# KiCad board Type 1 Termination Board DCS v2.kicad_pcb (continued)
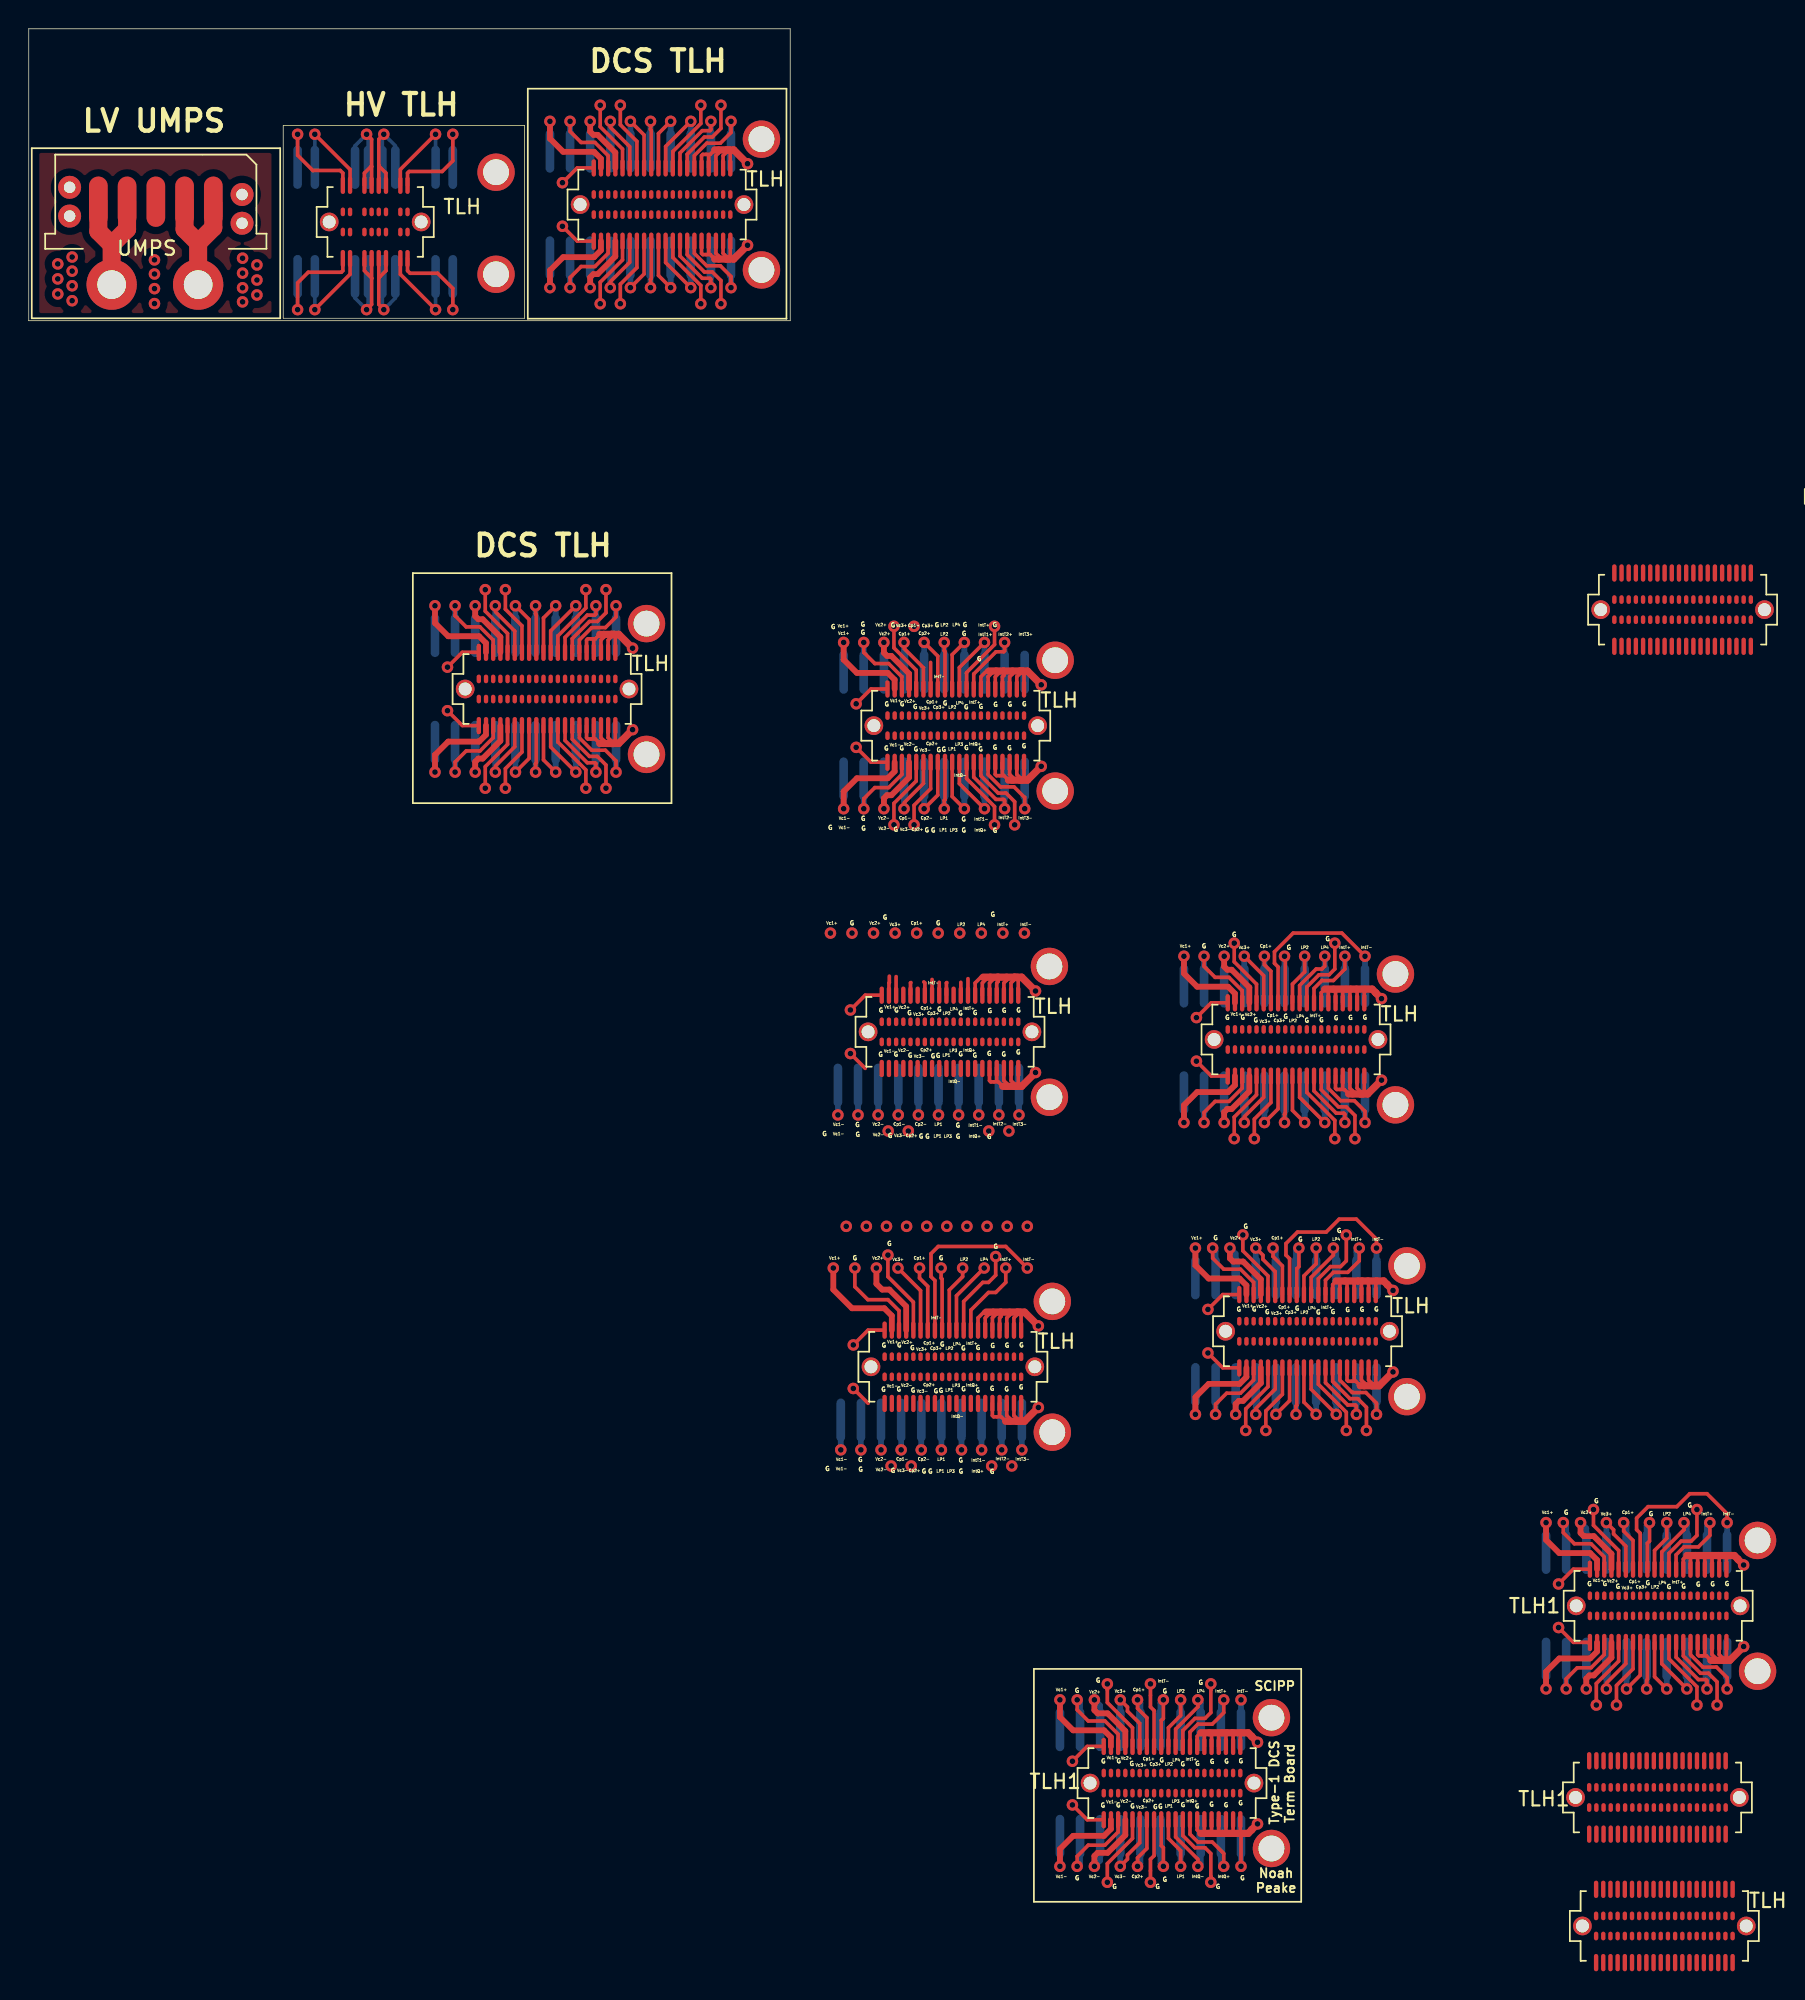
[diagram p0: board, top side]
## Routing (per net, layer and track width the routed paths; a pad name or vN(x,y) marks a point on that pad's centre or on a via; arc(x,y) is an arc through that point) (continued)
  Top w0.5: 115.39,-85.9 118.69,-85.9 118.94,-86.15 118.94,-86.16 v1(119.34,-86.56) ; 117.87,-93.19 117.06,-93.19 ; 117.87,-93.19 118.07,-93.19 ; 117.87,-93.19 118.38,-93.19 v1(119.34,-92.23) ; 81.56,-98.23 84.86,-98.23 85.11,-98.48 85.11,-98.49 v1(85.51,-98.89) ; 81.56,-105.23 84.86,-105.23 85.11,-104.98 85.11,-104.97 v1(85.51,-104.57)
  Bottom w0.4: v1(106.79,-83.61) 106.99,-83.81 106.99,-85.68 ; 112.59,-85.68 112.59,-83.81 v1(112.79,-83.61) ; v1(106.99,-95.18) 106.99,-93.11 ; v1(118.19,-95.18) 118.19,-93.11 ; v1(112.59,-95.18) 112.59,-93.11 ; v1(111.19,-95.18) 111.19,-93.11 ; v1(78.96,-95.94) 78.76,-96.14 P2#7.17 ; v1(72.96,-95.94) 73.16,-96.14 P2#7.5 ; v1(78.96,-107.52) 78.76,-107.32 P1#9.18 ; P1#9.6 73.16,-107.32 v1(72.96,-107.52) ; P1#9.30 v1(84.36,-107.52)
(no net): length 1247.3
  Top w0.25: 26.36,4.33 26.36,3.48 26.54,3.3 28.45,3.3 29.51,2.24 29.51,0.78 ; v1(19.91,12.97) 22.36,10.52 J11.3 ; 24.36,3.03 24.36,1.13 24.71,0.78 ; 24.36,3.03 24.41,3.03 24.86,3.48 24.86,4.33 ; 24.36,3.03 24.36,4.33 ; 23.36,4.33 23.36,3.48 23.86,2.98 23.86,2.93 ; J11.17 25.86,10.52 v1(28.31,12.97) ; 23.86,2.93 23.86,4.33 ; 23.86,2.93 23.86,1.13 23.51,0.78 ; 21.86,4.33 21.86,3.48 21.75,3.37 19.45,3.37 18.71,2.63 18.71,0.78 ; 25.86,4.33 25.86,3.23 28.31,0.78 ; v1(23.51,12.97) 23.86,12.62 23.86,10.72 ; J11.7 23.36,10.27 23.81,10.72 23.86,10.72 ; J11.1 21.86,10.27 21.68,10.45 19.77,10.45 18.71,11.51 v1(18.71,12.97) ; v1(29.51,12.97) 29.51,11.12 28.77,10.38 26.47,10.38 26.36,10.27 J11.19 ; 24.36,10.82 24.36,10.77 24.86,10.27 J11.13 ; 24.36,10.82 J11.11 ; 24.36,10.82 24.36,12.62 v1(24.71,12.97) ; 23.86,10.72 J11.9 ; 19.91,0.78 22.36,3.23 22.36,4.33 ; v1(46.07,2.3) 44.32,4.05 44.32,5.54 ; J12.17 43.32,13.24 43.27,13.29 v1(43.27,13.87) ; 45.32,5.54 45.32,4.5 46.87,2.95 47.4,2.95 47.47,2.88 v1(47.47,2.3) ; v1(43.27,2.3) 43.27,2.88 43.32,2.93 43.32,5.54 ; 41.82,5.54 41.82,4.06 40.47,2.71 ; 42.82,5.54 42.82,3.25 v1(41.87,2.3) ; 46.32,5.54 46.32,4.68 47.18,3.82 48.13,3.82 48.87,3.08 v1(48.87,2.3) ; J12.11 41.82,12.11 40.47,13.46 ; v1(48.87,13.87) 48.87,13.09 48.13,12.35 47.18,12.35 46.32,11.49 J12.29 ; v1(41.87,13.87) 42.82,12.92 J12.15 ; 47.82,5.54 47.82,4.69 48.02,4.49 48.02,4.29 ; 39.32,10.63 38.17,10.63 v1(37.14,9.6) ; 47.32,5.54 47.32,4.69 ; v1(46.07,13.87) 44.32,12.12 J12.21 ; 48.55,11.88 48.55,11.71 48.32,11.48 48.32,10.63 ; 47.74,4.29 47.43,4.6 46.91,4.6 46.82,4.69 46.82,5.54 ; J12.13 42.32,12.48 41.17,13.63 v1(41.17,14.99) ; 42.32,5.54 42.32,3.69 41.17,2.54 v1(41.17,1.18) ; 41.32,5.54 41.32,4.23 39.77,2.68 v1(39.77,1.18) ; J12.23 44.82,11.77 46.77,13.72 v1(46.77,14.99) ; 48.32,5.54 48.32,4.69 48.55,4.46 48.55,4.29 ; v1(47.47,13.87) 47.47,13.29 47.4,13.22 46.87,13.22 45.32,11.67 J12.25 ; v1(37.14,6.57) 38.17,5.54 39.32,5.54 ; 40.32,5.54 40.32,4.69 39.4,3.77 38.44,3.77 37.67,3 v1(37.67,2.3) ; 44.82,5.54 44.82,4.4 46.77,2.45 v1(46.77,1.18) ; J12.27 45.82,11.58 47.02,12.78 47.57,12.78 48.17,13.38 v1(48.17,14.99) ; 47.32,10.63 47.32,11.48 ; J12.9 41.32,11.94 39.77,13.49 v1(39.77,14.99) ; 46.82,10.63 46.82,11.48 46.91,11.57 47.43,11.57 47.74,11.88 ; 48.02,11.88 48.02,11.68 47.82,11.48 47.82,10.63 ; J12.5 40.32,11.48 39.4,12.4 38.44,12.4 37.67,13.17 v1(37.67,13.87) ; v1(44.67,2.3) 43.82,3.15 43.82,5.54 ; v1(48.17,1.18) 48.17,2.79 47.57,3.39 47.02,3.39 45.82,4.59 45.82,5.54 ; J12.19 43.82,13.02 v1(44.67,13.87) ; 48.82,5.54 48.82,4.53 49.06,4.29 ; 49.06,11.88 48.82,11.64 48.82,10.63 ; v1(36.67,-19.83) 35.82,-20.68 J12#2.19 ; v1(29.67,-19.83) 29.67,-20.53 30.44,-21.3 31.4,-21.3 32.32,-22.22 J12#2.5 ; 41.06,-21.82 40.82,-22.06 40.82,-23.07 ; v1(38.77,-18.71) 38.77,-19.98 36.82,-21.93 J12#2.23 ; 40.82,-28.16 40.82,-29.17 41.06,-29.41 ; v1(33.17,-18.71) 33.17,-20.07 34.32,-21.22 J12#2.13 ; 34.82,-28.16 34.82,-30.45 v1(33.87,-31.4) ; 36.32,-28.16 36.32,-29.65 v1(38.07,-31.4) ; 37.32,-28.16 37.32,-29.2 38.87,-30.75 39.4,-30.75 39.47,-30.82 v1(39.47,-31.4) ; v1(40.87,-19.83) 40.87,-20.61 40.13,-21.35 39.18,-21.35 38.32,-22.21 J12#2.29 ; J12#2.17 35.32,-20.46 35.27,-20.41 v1(35.27,-19.83) ; 32.47,-20.24 33.82,-21.59 J12#2.11 ; v1(40.87,-31.4) 40.87,-30.62 40.13,-29.88 39.18,-29.88 38.32,-29.02 38.32,-28.16 ; 32.47,-30.99 33.82,-29.64 33.82,-28.16 ; v1(35.27,-31.4) 35.27,-30.82 35.32,-30.77 35.32,-28.16 ; v1(33.87,-19.83) 34.82,-20.78 J12#2.15 ; 40.55,-29.41 40.55,-29.24 40.32,-29.01 40.32,-28.16 ; 40.55,-21.82 40.55,-21.99 40.32,-22.22 40.32,-23.07 ; v1(39.47,-19.83) 39.47,-20.41 39.4,-20.48 38.87,-20.48 37.32,-22.03 J12#2.25 ; 39.82,-28.16 39.82,-29.01 40.02,-29.21 40.02,-29.41 ; v1(29.14,-27.13) 30.17,-28.16 31.32,-28.16 ; 33.32,-28.16 33.32,-29.47 31.77,-31.02 v1(31.77,-32.52) ; 39.32,-28.16 39.32,-29.01 ; 36.82,-28.16 36.82,-29.3 38.77,-31.25 v1(38.77,-32.52) ; 34.32,-28.16 34.32,-30.01 33.17,-31.16 v1(33.17,-32.52) ; 31.32,-23.07 30.17,-23.07 v1(29.14,-24.1) ; J12#2.27 37.82,-22.12 39.02,-20.92 39.57,-20.92 40.17,-20.32 v1(40.17,-18.71) ; 39.74,-29.41 39.43,-29.1 38.91,-29.1 38.82,-29.01 38.82,-28.16 ; J12#2.21 36.32,-21.58 v1(38.07,-19.83) ; 32.32,-28.16 32.32,-29.01 31.4,-29.93 30.44,-29.93 29.67,-30.7 v1(29.67,-31.4) ; 37.82,-28.16 37.82,-29.11 39.02,-30.31 39.57,-30.31 40.17,-30.91 v1(40.17,-32.52) ; v1(36.67,-31.4) 35.82,-30.55 35.82,-28.16 ; J12#2.9 33.32,-21.76 31.77,-20.21 v1(31.77,-18.71) ; 39.82,-23.07 39.82,-22.22 40.02,-22.02 40.02,-21.82 ; 39.74,-21.82 39.43,-22.13 38.91,-22.13 38.82,-22.22 38.82,-23.07 ; 39.32,-23.07 39.32,-22.22 ; 69.5,-24.37 69.26,-24.61 69.26,-25.62 ; v1(67.21,-21.26) 67.21,-22.53 65.26,-24.48 J12#3.23 ; v1(65.11,-22.38) 64.26,-23.23 J12#3.19 ; v1(58.11,-22.38) 58.11,-23.08 58.88,-23.85 59.84,-23.85 60.76,-24.77 J12#3.5 ; 68.99,-31.96 68.99,-31.79 68.76,-31.56 68.76,-30.71 ; 68.99,-24.37 68.99,-24.54 68.76,-24.77 68.76,-25.62 ; v1(67.91,-22.38) 67.91,-22.96 67.84,-23.03 67.31,-23.03 65.76,-24.58 J12#3.25 ; v1(62.31,-22.38) 63.26,-23.33 J12#3.15 ; 62.26,-30.71 62.26,-32.19 60.91,-33.54 ; v1(66.51,-33.95) 64.76,-32.2 64.76,-30.71 ; v1(69.31,-33.95) 69.31,-33.17 68.57,-32.43 67.62,-32.43 66.76,-31.57 66.76,-30.71 ; 69.26,-30.71 69.26,-31.72 69.5,-31.96 ; 63.26,-30.71 63.26,-33 v1(62.31,-33.95) ; v1(67.91,-33.95) 67.91,-33.37 67.84,-33.3 67.31,-33.3 65.76,-31.75 65.76,-30.71 ; v1(63.71,-33.95) 63.71,-33.37 63.76,-33.32 63.76,-30.71 ; v1(63.71,-22.38) 63.71,-22.96 63.76,-23.01 J12#3.17 ; 60.91,-22.79 62.26,-24.14 J12#3.11 ; 68.46,-31.96 68.46,-31.76 68.26,-31.56 68.26,-30.71 ; 59.76,-30.71 58.61,-30.71 v1(57.58,-29.68) ; 67.76,-30.71 67.76,-31.56 ; J12#3.21 64.76,-24.13 v1(66.51,-22.38) ; 59.76,-25.62 58.61,-25.62 v1(57.58,-26.65) ; 60.76,-30.71 60.76,-31.56 59.84,-32.48 58.88,-32.48 58.11,-33.25 v1(58.11,-33.95) ; J12#3.13 62.76,-23.77 ; v1(60.21,-35.07) 60.21,-33.57 61.76,-32.02 61.76,-30.71 ; 65.26,-30.71 65.26,-31.85 67.21,-33.8 v1(67.21,-35.07) ; 68.18,-31.96 67.87,-31.65 67.35,-31.65 67.26,-31.56 67.26,-30.71 ; 66.26,-30.71 66.26,-31.66 67.46,-32.86 68.01,-32.86 68.61,-33.46 v1(68.61,-35.07) ; 62.76,-30.71 62.76,-32.56 61.61,-33.71 v1(61.61,-35.07) ; 64.26,-30.71 64.26,-33.1 v1(65.11,-33.95) ; v1(60.21,-21.26) 60.21,-22.76 61.76,-24.31 J12#3.9 ; J12#4.33 67.36,-46.07 67.46,-45.97 67.46,-45.67 ; 67.42,-45.67 67.26,-45.67 66.86,-46.07 J12#4.31 ; 66.42,-45.67 66.26,-45.67 65.86,-46.07 J12#4.27 ; J12#4.35 67.86,-46.07 68.06,-45.87 68.06,-45.67 ; J12#4.29 66.36,-46.07 66.76,-45.67 66.92,-45.67 ; 58.21,-52.01 v1(57.18,-50.98) ; 68.06,-53.26 68.06,-53.06 67.86,-52.86 67.86,-52.01 ; 68.36,-46.92 68.36,-46.07 68.59,-45.84 68.59,-45.67 ; 67.36,-52.01 67.36,-52.86 ; 67.78,-53.26 67.47,-52.95 66.95,-52.95 66.86,-52.86 66.86,-52.01 ; 59.36,-46.92 58.21,-46.92 v1(57.18,-47.95) ; 68.36,-52.01 68.36,-52.86 68.59,-53.09 68.59,-53.26 ; 68.86,-52.01 68.86,-53.02 69.1,-53.26 ; 69.1,-45.67 68.86,-45.91 68.86,-46.92 ; 69.3,-68.97 69.06,-69.21 69.06,-70.22 ; 68.79,-76.56 68.79,-76.39 68.56,-76.16 68.56,-75.31 ; 69.06,-75.31 69.06,-76.32 69.3,-76.56 ; 67.06,-75.31 67.06,-76.16 67.15,-76.25 67.67,-76.25 67.98,-76.56 ; 59.56,-70.22 58.41,-70.22 v1(57.38,-71.25) ; 68.79,-68.97 68.79,-69.14 68.56,-69.37 68.56,-70.22 ; 68.26,-68.97 68.26,-69.17 68.06,-69.37 J12#5.35 ; J12#5.27 66.06,-69.37 66.46,-68.97 66.62,-68.97 ; 67.62,-68.97 67.46,-68.97 67.06,-69.37 J12#5.31 ; 58.41,-75.31 v1(57.38,-74.28) ; 68.26,-76.56 68.26,-76.36 68.06,-76.16 68.06,-75.31 ; J12#5.29 66.56,-69.37 66.96,-68.97 67.12,-68.97 ; 67.66,-68.97 67.66,-69.27 67.56,-69.37 J12#5.33 ; 67.56,-75.31 67.56,-76.16 ; v1(81.79,-44.21) 81.79,-44.91 82.56,-45.68 83.52,-45.68 84.44,-46.6 J12#6.5 ; 92.67,-53.79 92.67,-53.62 92.44,-53.39 92.44,-52.54 ; 85.94,-52.54 85.94,-54.02 84.59,-55.37 ; v1(90.19,-55.78) 88.44,-54.03 88.44,-52.54 ; v1(92.99,-55.78) 92.99,-55 92.25,-54.26 91.3,-54.26 90.44,-53.4 90.44,-52.54 ; 92.94,-52.54 92.94,-53.55 93.18,-53.79 ; 86.94,-52.54 86.94,-54.83 v1(85.99,-55.78) ; v1(91.59,-55.78) 91.59,-55.2 91.52,-55.13 90.99,-55.13 89.44,-53.58 89.44,-52.54 ; v1(87.39,-55.78) 87.39,-55.2 87.44,-55.15 87.44,-52.54 ; 92.14,-53.79 92.14,-53.59 91.94,-53.39 91.94,-52.54 ; 83.44,-52.54 82.29,-52.54 v1(81.26,-51.51) ; 91.44,-52.54 91.44,-53.39 ; 83.44,-47.45 82.29,-47.45 v1(81.26,-48.48) ; 84.44,-52.54 84.44,-53.39 83.52,-54.31 82.56,-54.31 81.79,-55.08 v1(81.79,-55.78) ; v1(83.89,-56.9) 83.89,-55.4 85.44,-53.85 85.44,-52.54 ; 88.94,-52.54 88.94,-53.68 90.89,-55.63 v1(90.89,-56.9) ; 91.86,-53.79 91.55,-53.48 91.03,-53.48 90.94,-53.39 90.94,-52.54 ; 89.94,-52.54 89.94,-53.49 91.14,-54.69 91.69,-54.69 92.29,-55.29 v1(92.29,-56.9) ; 86.44,-52.54 86.44,-54.39 85.29,-55.54 v1(85.29,-56.9) ; 87.94,-52.54 87.94,-54.93 v1(88.79,-55.78) ; 92.94,-74.09 92.94,-73.89 92.74,-73.69 92.74,-72.84 ; 90.24,-72.84 90.24,-73.88 91.79,-75.43 92.32,-75.43 92.39,-75.5 v1(92.39,-76.08) ; 92.24,-72.84 92.24,-73.69 ; 89.24,-72.84 89.24,-74.33 v1(90.99,-76.08) ; 85.39,-75.67 86.74,-74.32 86.74,-72.84 ; 93.98,-74.09 93.74,-73.85 93.74,-72.84 ; 84.24,-72.84 83.09,-72.84 v1(82.06,-71.81) ; 84.24,-67.75 83.09,-67.75 v1(82.06,-68.78) ; 86.24,-72.84 86.24,-74.15 84.69,-75.7 v1(84.69,-77.2) ; 92.66,-74.09 92.35,-73.78 91.83,-73.78 91.74,-73.69 91.74,-72.84 ; 85.24,-72.84 85.24,-73.69 84.32,-74.61 83.36,-74.61 82.59,-75.38 v1(82.59,-76.08) ; 89.74,-72.84 89.74,-73.98 91.69,-75.93 v1(91.69,-77.2) ; 93.47,-74.09 93.47,-73.92 93.24,-73.69 93.24,-72.84 ; v1(88.19,-76.08) 88.19,-75.5 88.24,-75.45 88.24,-72.84 ; 87.74,-72.84 87.74,-75.13 v1(86.79,-76.08) ; 91.24,-72.84 91.24,-73.7 92.1,-74.56 93.05,-74.56 93.79,-75.3 v1(93.79,-76.08) ; J12#7.37 93.24,-66.85 93.19,-66.8 ; J12#7.29 91.24,-66.9 91.34,-66.8 91.64,-66.8 91.74,-66.9 J12#7.31 ; 92.49,-66.8 92.34,-66.8 92.24,-66.9 J12#7.33 ; 88.74,-72.84 88.74,-75.23 v1(89.59,-76.08) ; 90.74,-72.84 90.74,-73.79 91.94,-74.99 92.49,-74.99 93.09,-75.59 v1(93.09,-77.2) ; 87.24,-72.84 87.24,-74.69 86.09,-75.84 v1(86.09,-77.2) ; J12#7.27 90.74,-67.05 90.99,-66.8 ; J12#7.19 88.74,-66.45 89.59,-65.6 v1(89.59,-64.51) ; 92.79,-66.8 92.79,-66.85 92.74,-66.9 J12#7.35 ; J12#7.23 89.74,-66.65 90.59,-65.8 91.29,-65.8 91.69,-65.4 v1(91.69,-63.6) ; J12#7.39 93.74,-66.9 93.79,-66.85 93.79,-66.8 ; J12#6.11 85.94,-45.56 v1(84.59,-44.21) ; v1(83.89,-43.3) 83.89,-44.6 85.44,-46.15 J12#6.9 ; J12#6.21 88.44,-46.25 89.59,-45.1 89.99,-45.1 90.19,-44.9 v1(90.19,-44.21) ; J12#7.9 86.24,-66.45 84.49,-64.7 v1(84.49,-63.6) ; J12#4.23 64.86,-46.03 ; J12#5.25 65.56,-68.83 66.79,-67.6 67.29,-67.6 67.99,-66.9 v1(67.99,-65.9) ; 92.99,-46.5 92.99,-46.55 92.94,-46.6 J12#6.39 ; J12#3.33 67.76,-24.77 67.86,-24.67 67.86,-24.37 ; 63.89,-46.04 63.86,-46.07 J12#4.19 ; J12#7.21 89.24,-66.55 90.79,-65 v1(90.79,-64.51) ; 90.19,-46.5 89.94,-46.75 J12#6.27 ; J12#5.23 65.06,-68.23 66.39,-66.9 66.79,-66.9 67.29,-66.4 v1(67.29,-65.1) ; v1(85.99,-44.21) 85.99,-44.8 86.44,-45.25 J12#6.13 ; 61.39,-46.04 61.36,-46.07 J12#4.9 ; J12#4.13 62.36,-46.07 62.29,-46 ; v1(64.99,-65.9) 64.99,-66.5 64.06,-67.43 J12#5.19 ; J12#5.21 64.56,-67.83 v1(66.49,-65.9) ; J12#5.17 63.56,-66.67 63.49,-66.6 v1(63.49,-65.9) ; J12#4.25 65.36,-45.77 ; J12#7.5 85.24,-66.9 84.32,-65.98 83.16,-65.98 82.39,-65.21 v1(82.39,-64.51) ; J12#5.5 60.56,-68.87 59.79,-68.1 58.39,-68.1 57.49,-67.2 v1(57.49,-65.9) ; v1(88.39,-64.51) 88.39,-65.8 88.24,-65.95 J12#7.17 ; v1(86.59,-64.51) 86.59,-65.1 87.24,-65.75 J12#7.13 ; J12#6.23 88.94,-46.35 89.79,-45.5 90.49,-45.5 90.89,-45.1 v1(90.89,-43.3) ; J12#6.19 87.94,-46.15 88.79,-45.3 v1(88.79,-44.21) ; v1(92.59,-64.51) 92.59,-65.4 91.79,-66.2 90.79,-66.2 90.24,-66.75 J12#7.25 ; 68.46,-24.37 68.46,-24.57 68.26,-24.77 J12#3.35 ; v1(61.99,-65.9) 61.99,-66.6 62.56,-67.17 J12#5.13 ; v1(69.49,-65.9) 67.99,-64.4 63.29,-64.4 62.79,-64.9 62.79,-66.5 63.06,-66.77 J12#5.15 ; J12#4.5 60.36,-45.63 ; J12#6.35 91.94,-46.6 91.99,-46.55 91.99,-46.5 ; J12#6.37 92.44,-46.55 92.39,-46.5 ; J12#4.3 59.86,-46.07 59.89,-46.04 59.89,-45.6 ; J12#6.31 90.94,-46.6 90.84,-46.5 90.54,-46.5 90.44,-46.6 J12#6.29 ; J12#6.15 86.94,-44.95 86.69,-44.7 86.69,-43.9 87.99,-42.6 91.38,-42.6 v1(92.99,-44.21) ; J12#4.15 62.86,-45.83 ; v1(91.59,-44.21) 91.59,-45.1 90.79,-45.9 89.99,-45.9 89.44,-46.45 J12#6.25 ; J12#7.15 87.74,-65.25 87.49,-65 87.49,-64.2 88.29,-63.4 90.29,-63.4 91.19,-62.5 92.39,-62.5 93.79,-63.9 v1(93.79,-64.51) ; J12#3.27 66.26,-24.77 66.66,-24.37 66.82,-24.37 ; J12#5.9 61.56,-68.27 59.79,-66.5 v1(59.79,-65) ; J12#3.29 66.76,-24.77 67.16,-24.37 67.32,-24.37 ; v1(60.49,-65.9) 62.06,-67.47 J12#5.11 ; v1(85.39,-64.51) 85.89,-65.01 85.89,-65.3 86.74,-66.15 J12#7.11 ; v1(87.39,-44.21) 87.44,-44.26 J12#6.17 ; J12#3.31 67.26,-24.77 67.66,-24.37 67.82,-24.37 ; 91.69,-46.5 91.54,-46.5 91.44,-46.6 J12#6.33 ; J12#4.17 63.36,-46.03
  Top w0.4: J12.7 40.82,11.7 39.59,12.93 39.29,12.93 39.07,13.15 v1(39.07,13.87) ; v1(36.27,2.3) 36.27,3.5 37.19,4.42 39.34,4.42 39.82,4.9 39.82,5.54 ; 39.82,10.63 39.82,11.27 39.34,11.75 37.19,11.75 36.27,12.67 v1(36.27,13.87) ; v1(39.07,2.3) 39.07,3.02 39.29,3.24 39.59,3.24 40.82,4.47 40.82,5.54 ; 31.82,-23.07 31.82,-22.43 31.34,-21.95 29.19,-21.95 28.27,-21.03 v1(28.27,-19.83) ; J12#2.7 32.82,-22 31.59,-20.77 31.29,-20.77 31.07,-20.55 v1(31.07,-19.83) ; 32.82,-28.16 32.82,-29.23 31.59,-30.46 31.29,-30.46 31.07,-30.68 v1(31.07,-31.4) ; 31.82,-28.16 31.82,-28.8 31.34,-29.28 29.19,-29.28 28.27,-30.2 v1(28.27,-31.4) ; 61.26,-30.71 61.26,-31.78 60.03,-33.01 59.73,-33.01 59.51,-33.23 v1(59.51,-33.95) ; v1(56.71,-33.95) 56.71,-32.75 57.63,-31.83 59.78,-31.83 60.26,-31.35 60.26,-30.71 ; 60.26,-25.62 60.26,-24.98 59.78,-24.5 57.63,-24.5 56.71,-23.58 v1(56.71,-22.38) ; J12#3.7 61.26,-24.55 60.03,-23.32 59.73,-23.32 59.51,-23.1 v1(59.51,-22.38) ; 84.94,-52.54 84.94,-53.61 83.71,-54.84 83.41,-54.84 83.19,-55.06 v1(83.19,-55.78) ; v1(80.39,-55.78) 80.39,-54.58 81.31,-53.66 83.46,-53.66 83.94,-53.18 83.94,-52.54 ; 83.94,-47.45 83.94,-46.81 83.46,-46.33 81.31,-46.33 80.39,-45.41 v1(80.39,-44.21) ; J12#6.7 84.94,-46.38 83.71,-45.15 83.41,-45.15 83.19,-44.93 v1(83.19,-44.21) ; v1(83.99,-76.08) 83.99,-75.36 84.21,-75.14 84.51,-75.14 85.74,-73.91 85.74,-72.84 ; v1(81.19,-64.51) 81.19,-65.71 82.11,-66.63 84.26,-66.63 84.74,-67.11 84.74,-67.75 ; 84.74,-72.84 84.74,-73.48 84.26,-73.96 82.11,-73.96 81.19,-74.88 v1(81.19,-76.08) ; J12#5.3 60.06,-69.22 59.54,-68.7 57.29,-68.7 55.99,-67.4 v1(55.99,-65.9) ; J12#5.7 61.06,-68.57 59.89,-67.4 59.39,-67.4 58.99,-67 v1(58.99,-65.9) ; J12#7.7 85.74,-66.68 84.51,-65.45 83.81,-65.45 83.59,-65.23 v1(83.59,-64.51)
  Top w0.5: 47.74,11.88 48.55,11.88 ; 48.55,4.29 47.74,4.29 ; 48.55,4.29 48.75,4.29 ; 48.55,4.29 49.06,4.29 v1(50.02,5.25) ; 48.55,11.88 48.75,11.88 ; 48.55,11.88 49.06,11.88 v1(50.02,10.92) ; v1(42.02,-28.45) 41.06,-29.41 40.55,-29.41 ; 40.55,-21.82 39.74,-21.82 ; 40.55,-21.82 40.75,-21.82 ; 40.55,-21.82 41.06,-21.82 v1(42.02,-22.78) ; 40.55,-29.41 39.74,-29.41 ; 40.55,-29.41 40.75,-29.41 ; v1(70.46,-31) 69.5,-31.96 68.99,-31.96 ; 68.99,-24.37 66.82,-24.37 ; 68.99,-24.37 69.19,-24.37 ; 68.99,-24.37 69.5,-24.37 v1(70.46,-25.33) ; 69.19,-31.96 68.99,-31.96 ; 68.99,-31.96 68.18,-31.96 ; 66.42,-45.67 68.59,-45.67 ; 68.79,-45.67 68.59,-45.67 ; 68.59,-45.67 69.1,-45.67 v1(70.06,-46.63) ; 68.79,-53.26 68.59,-53.26 ; 68.59,-53.26 67.78,-53.26 ; 68.59,-53.26 69.1,-53.26 v1(70.06,-52.3) ; 68.79,-76.56 67.98,-76.56 ; 68.79,-76.56 69.3,-76.56 v1(70.26,-75.6) ; 68.79,-76.56 68.99,-76.56 ; 68.79,-68.97 69.3,-68.97 v1(70.26,-69.93) ; 68.79,-68.97 66.62,-68.97 ; 68.79,-68.97 68.99,-68.97 ; v1(94.14,-52.83) 93.18,-53.79 92.67,-53.79 ; 92.87,-53.79 92.67,-53.79 ; 92.67,-53.79 91.86,-53.79 ; 93.67,-74.09 93.47,-74.09 ; 93.47,-74.09 92.66,-74.09 ; 93.47,-74.09 93.98,-74.09 v1(94.94,-73.13) ; v1(94.94,-67.46) 94.54,-67.06 94.54,-67.05 94.29,-66.8 90.99,-66.8 ; 90.19,-46.5 93.49,-46.5 93.74,-46.75 93.74,-46.76 v1(94.14,-47.16)
  Top w1.25: 5.77,5.29 6.84,6.36 J10.4 ; 5.77,5.29 4.84,6.22 J10.5 ; 5.77,5.29 J3.1 ; 11.79,5.42 10.84,6.37 J10.2 ; 11.79,5.42 J2.1 ; 11.79,5.42 12.84,6.47 J10.1
  Bottom w0.25: P3.2 v1(18.71,0.77) ; P4.13 25.51,12.17 v1(24.71,12.97) 24.61,12.87 P4.11 ; P3.18 v1(28.31,0.77) ; P4.9 23.61,12.87 v1(23.51,12.97) 22.71,12.17 P4.7 ; P3.10 23.61,0.87 v1(23.51,0.77) 22.71,1.57 P3.8 ; P3.12 24.61,0.87 v1(24.71,0.77) 25.51,1.57 P3.14 ; P4.3 v1(19.91,12.97) ; P4.1 v1(18.71,12.97) ; P3.4 v1(19.91,0.77) ; P4.17 v1(28.31,12.97) ; P4.19 v1(29.51,12.97) ; P3.20 v1(29.51,0.77)
  Bottom w0.4: v1(39.07,13.87) P2.7 ; v1(41.87,13.87) P2.15 ; v1(36.27,13.87) P2.3 ; v1(39.07,2.3) P1.8 ; v1(41.87,2.3) P1.16 ; v1(43.27,13.87) P2.17 ; v1(36.27,2.3) P1.4 ; v1(40.47,13.87) P2.11 ; v1(46.07,13.87) P2.21 ; v1(48.87,2.3) P1.30 ; v1(43.27,2.3) P1.18 ; v1(40.47,2.3) P1.12 ; v1(48.87,13.87) P2.29 ; v1(47.47,2.3) P1.26 ; v1(47.47,13.87) P2.25 ; v1(46.07,2.3) P1.22 ; v1(44.67,13.87) P2.19 ; v1(44.67,2.3) P1.20 ; v1(37.67,13.87) P2.5 ; v1(37.67,2.3) P1.6 ; v1(31.07,-19.83) P2#2.7 ; v1(32.47,-19.83) P2#2.11 ; v1(38.07,-19.83) P2#2.21 ; v1(40.87,-31.4) P1#2.30 ; v1(35.27,-19.83) P2#2.17 ; v1(33.87,-19.83) P2#2.15 ; v1(28.27,-19.83) P2#2.3 ; v1(28.27,-31.4) P1#2.4 ; v1(35.27,-31.4) P1#2.18 ; v1(32.47,-31.4) P1#2.12 ; v1(31.07,-31.4) P1#2.8 ; v1(33.87,-31.4) P1#2.16 ; v1(39.47,-19.83) P2#2.25 ; v1(39.47,-31.4) P1#2.26 ; v1(38.07,-31.4) P1#2.22 ; v1(36.67,-31.4) P1#2.20 ; v1(40.87,-19.83) P2#2.29 ; v1(36.67,-19.83) P2#2.19 ; v1(29.67,-31.4) P1#2.6 ; v1(29.67,-19.83) P2#2.5 ; v1(59.51,-22.38) P2#3.7 ; v1(67.91,-22.38) P2#3.25 ; v1(67.91,-33.95) P1#3.26 ; v1(66.51,-22.38) P2#3.21 ; v1(63.71,-22.38) P2#3.17 ; v1(56.71,-22.38) P2#3.3 ; v1(60.91,-33.95) P1#3.12 ; v1(62.31,-33.95) P1#3.16 ; v1(69.31,-33.95) P1#3.30 ; v1(62.31,-22.38) P2#3.15 ; v1(56.71,-33.95) P1#3.4 ; v1(60.91,-22.38) P2#3.11 ; v1(63.71,-33.95) P1#3.18 ; v1(59.51,-33.95) P1#3.8 ; v1(65.11,-22.38) P2#3.19 ; v1(65.11,-33.95) P1#3.20 ; v1(66.51,-33.95) P1#3.22 ; v1(58.11,-33.95) P1#3.6 ; v1(58.11,-22.38) P2#3.5 ; v1(64.71,-55.25) P1#4.20 ; v1(66.11,-55.25) P1#4.22 ; v1(57.71,-55.25) P1#4.6 ; v1(67.51,-55.25) P1#4.26 ; v1(60.51,-55.25) P1#4.12 ; v1(63.31,-55.25) P1#4.18 ; v1(59.11,-55.25) P1#4.8 ; v1(61.91,-55.25) P1#4.16 ; v1(56.31,-55.25) P1#4.4 ; v1(68.91,-55.25) P1#4.30 ; v1(57.91,-78.55) P1#5.6 ; v1(67.71,-78.55) P1#5.26 ; v1(66.31,-78.55) P1#5.22 ; v1(60.71,-78.55) P1#5.12 ; v1(62.11,-78.55) P1#5.16 ; v1(56.51,-78.55) P1#5.4 ; v1(59.31,-78.55) P1#5.8 ; v1(63.51,-78.55) P1#5.18 ; v1(69.11,-78.55) P1#5.30 ; v1(64.91,-78.55) P1#5.20 ; v1(83.19,-44.21) P2#4.7 ; v1(91.59,-44.21) P2#4.25 ; v1(91.59,-55.78) P1#6.26 ; v1(90.19,-44.21) P2#4.21 ; v1(87.39,-44.21) P2#4.17 ; v1(80.39,-44.21) P2#4.3 ; v1(84.59,-55.78) P1#6.12 ; v1(85.99,-55.78) P1#6.16 ; v1(92.99,-55.78) P1#6.30 ; v1(85.99,-44.21) P2#4.15 ; v1(80.39,-55.78) P1#6.4 ; v1(84.59,-44.21) P2#4.11 ; v1(87.39,-55.78) P1#6.18 ; v1(83.19,-55.78) P1#6.8 ; v1(92.99,-44.21) P2#4.29 ; v1(88.79,-44.21) P2#4.19 ; v1(88.79,-55.78) P1#6.20 ; v1(90.19,-55.78) P1#6.22 ; v1(81.79,-55.78) P1#6.6 ; v1(81.79,-44.21) P2#4.5 ; v1(93.79,-76.08) P1#7.30 ; v1(83.99,-76.08) P1#7.8 ; v1(89.59,-64.51) P2#5.19 ; v1(85.39,-64.51) P2#5.11 ; v1(81.19,-76.08) P1#7.4 ; v1(88.19,-76.08) P1#7.18 ; v1(93.79,-64.51) P2#5.29 ; v1(90.99,-76.08) P1#7.22 ; v1(89.59,-76.08) P1#7.20 ; v1(92.39,-76.08) P1#7.26 ; v1(86.79,-76.08) P1#7.16 ; v1(85.39,-76.08) P1#7.12 ; v1(81.19,-64.51) P2#5.3 ; v1(82.59,-76.08) P1#7.6 ; v1(86.59,-64.51) 86.79,-64.71 P2#5.15 ; v1(83.59,-64.51) 83.99,-64.91 P2#5.7 ; P2#5.17 88.19,-64.71 v1(88.39,-64.51) ; v1(90.79,-64.51) 90.99,-64.71 P2#5.21 ; v1(92.59,-64.51) 92.39,-64.71 P2#5.25 ; v1(82.39,-64.51) 82.59,-64.71 P2#5.5
  vias: v1(2.02,3.95) v1(2.02,2.91) v1(2.02,1.86) v1(3.02,4.43) v1(3.02,3.45) v1(3.02,2.43) v1(3.02,1.39) v1(8.75,4.23) v1(8.75,3.25) v1(8.75,2.23) v1(8.75,1.19) v1(14.88,4.35) v1(14.88,3.31) v1(14.88,2.29) v1(14.88,1.31) v1(15.88,3.88) v1(15.88,2.83) v1(15.88,1.79) v1(55.79,-42.6) v1(56.89,-63) v1(57.29,-42.6) v1(58.29,-63) v1(58.79,-42.6) v1(59.69,-63) v1(59.81,-56.37) v1(60.01,-79.67) v1(60.29,-42.6) v1(61.09,-63) v1(61.21,-56.37) v1(61.41,-79.67) v1(61.61,-21.26) v1(61.79,-42.6) v1(62.49,-63) v1(63.29,-42.6) v1(63.89,-63) v1(64.79,-42.6) v1(65.29,-63) v1(66.29,-42.6) v1(66.69,-63) v1(66.81,-56.37) v1(67.01,-79.67) v1(67.79,-42.6) v1(68.09,-63) v1(68.21,-56.37) v1(68.41,-79.67) v1(69.29,-42.6) v1(69.49,-63)
Can_pwr1: length 5.7
  Top w0.25: TLH1#3.13 77.81,-97.18 77.16,-96.53 v1(77.16,-95.94)
  Bottom w0.4: P2#7.15 77.36,-96.14 v1(77.16,-95.94)
Can_pwr2: length 5.7
  Top w0.25: TLH1#3.14 77.81,-106.28 77.16,-106.93 v1(77.16,-107.52)
  Bottom w0.4: P1#9.16 77.36,-107.32 v1(77.16,-107.52)
Can_pwr3: length 21.2
  Top w0.25: TLH1#3.15 78.31,-96.68 78.06,-96.43 v1(78.06,-94.83)
  In2.Cu w0.25: v1(78.06,-94.83) 78.06,-99.5 78.4,-99.84 83.83,-99.84 84.36,-99.31 v1(84.36,-95.94)
  Bottom w0.4: v1(84.36,-95.94) P2#7.29
Interlock_Q+: length 7
  Top w0.25: v1(83.16,-107.52) 83.16,-106.63 82.36,-105.83 81.36,-105.83 80.81,-105.28 TLH1#3.26
  Bottom w0.4: P1#9.26 82.96,-107.32 v1(83.16,-107.52)
Interlock_T+: length 7
  Top w0.25: v1(83.16,-95.94) 83.16,-96.83 82.36,-97.63 81.36,-97.63 80.81,-98.18 TLH1#3.25
  Bottom w0.4: P2#7.25 82.96,-96.14 v1(83.16,-95.94)
LP_mode1: length 5.7
  Top w0.25: TLH1#3.20 79.31,-105.58 80.16,-106.43 v1(80.16,-107.52)
  Bottom w0.4: 80.16,-107.51 P1#9.20
LP_mode2: length 5.7
  Top w0.25: TLH1#3.19 79.31,-97.88 80.16,-97.03 v1(80.16,-95.94)
  Bottom w0.4: v1(80.16,-95.94) P2#7.19
LP_mode3: length 6
  Top w0.25: v1(81.36,-107.52) 81.36,-107.03 79.81,-105.48 TLH1#3.22
  Bottom w0.4: P1#9.22 81.56,-107.32 v1(81.36,-107.52)
LP_mode4: length 6
  Top w0.25: TLH1#3.21 79.81,-97.98 81.36,-96.43 v1(81.36,-95.94)
  Bottom w0.4: P2#7.21 81.56,-96.14 v1(81.36,-95.94)
Vcan1+: length 8
  Top w0.4: 75.31,-99.18 75.31,-98.54 74.83,-98.06 72.68,-98.06 71.76,-97.14 v1(71.76,-95.94)
  Bottom w0.4: v1(71.76,-95.94) P2#7.3
Vcan1-: length 8
  Top w0.4: 75.31,-104.28 75.31,-104.92 74.83,-105.4 72.68,-105.4 71.76,-106.32 v1(71.76,-107.52)
  Bottom w0.4: 71.76,-107.51 P1#9.4
Vcan2+: length 6.8
  Top w0.4: v1(74.16,-95.94) 74.16,-96.66 74.38,-96.88 75.08,-96.88 76.31,-98.11 TLH1#3.7
  Bottom w0.4: v1(74.16,-95.94) 74.56,-96.34 P2#7.7
Vcan2-: length 6.8
  Top w0.4: TLH1#3.8 76.31,-105.35 75.08,-106.58 74.38,-106.58 74.16,-106.8 v1(74.16,-107.52)
  Bottom w0.4: v1(74.16,-107.52) 74.56,-107.12 P1#9.8
Vcan3+: length 5.9
  Top w0.25: v1(75.96,-95.94) 76.46,-96.44 76.46,-96.73 77.31,-97.58 TLH1#3.11
  Bottom w0.4: v1(75.96,-95.94) P2#7.11
Vcan3-: length 5.9
  Top w0.25: v1(75.96,-107.52) 76.46,-107.02 76.46,-106.73 77.31,-105.88 TLH1#3.12
  Bottom w0.4: 75.96,-107.51 P1#9.12
Net-(TLH1-Pad3): length 8
  Top w0.4: v1(105.59,-83.61) 105.59,-84.81 106.51,-85.73 108.66,-85.73 109.14,-86.21 109.14,-86.85
  Bottom w0.4: v1(105.59,-83.61) 105.59,-85.68
Net-(TLH1-Pad4): length 8
  Top w0.4: 109.14,-91.94 109.14,-92.58 108.66,-93.06 106.51,-93.06 105.59,-93.98 v1(105.59,-95.18)
  Bottom w0.4: v1(105.59,-95.18) 105.59,-93.11
Net-(TLH1-Pad7): length 6.8
  Top w0.4: TLH1.7 110.14,-85.78 108.91,-84.55 108.21,-84.55 107.99,-84.33 v1(107.99,-83.61)
  Bottom w0.4: v1(107.99,-83.61) 108.39,-84.01 108.39,-85.68
Net-(TLH1-Pad8): length 6.2
  Top w0.4: v1(108.39,-95.18) 108.39,-94.46 108.61,-94.24 108.91,-94.24 110.14,-93.01 110.14,-91.94
  Bottom w0.4: v1(108.39,-95.18) 108.39,-93.11
Net-(TLH1-Pad11): length 5.9
  Top w0.25: TLH1.11 111.14,-85.25 110.29,-84.4 110.29,-84.11 v1(109.79,-83.61)
  Bottom w0.4: v1(109.79,-83.61) 109.79,-85.68
Net-(TLH1-Pad12): length 5.5
  Top w0.25: 109.79,-94.77 111.14,-93.42 111.14,-91.94
  Bottom w0.4: v1(109.79,-95.18) 109.79,-93.11
Net-(TLH1-Pad13): length 5.7
  Top w0.25: v1(110.99,-83.61) 110.99,-84.2 111.64,-84.85 TLH1.13
  Bottom w0.4: v1(110.99,-83.61) 111.19,-83.81 111.19,-85.68
Net-(TLH1-Pad14): length 4.8
  Top w0.25: 111.64,-91.94 111.64,-93.79 110.49,-94.94 v1(110.49,-96.3)
Net-(TLH1-Pad15): length 13.9
  Top w0.25: v1(118.19,-83.61) 118.19,-83 116.79,-81.6 115.59,-81.6 114.69,-82.5 112.69,-82.5 111.89,-83.3 111.89,-84.1 112.14,-84.35 TLH1.15
  Bottom w0.4: v1(118.19,-83.61) 118.19,-85.68
Net-(TLH1-Pad19): length 5.7
  Top w0.25: TLH1.19 113.14,-85.55 113.99,-84.7 v1(113.99,-83.61)
  Bottom w0.4: v1(113.99,-83.61) 113.99,-85.68
Net-(TLH1-Pad20): length 5.7
  Top w0.25: 113.14,-91.94 113.14,-94.33 v1(113.99,-95.18)
  Bottom w0.4: v1(113.99,-95.18) 113.99,-93.11
Net-(TLH1-Pad21): length 6
  Top w0.25: TLH1.21 113.64,-85.65 115.19,-84.1 v1(115.19,-83.61)
  Bottom w0.4: 115.39,-85.68 115.39,-83.81 v1(115.19,-83.61)
Net-(TLH1-Pad22): length 6
  Top w0.25: 113.64,-91.94 113.64,-93.43 v1(115.39,-95.18)
  Bottom w0.4: v1(115.39,-95.18) 115.39,-93.11
Net-(TLH1-Pad25): length 7
  Top w0.25: v1(116.99,-83.61) 116.99,-84.5 116.19,-85.3 115.19,-85.3 114.64,-85.85 TLH1.25
  Bottom w0.4: v1(116.99,-83.61) 116.79,-83.81 116.79,-85.68
Net-(TLH1-Pad26): length 6.5
  Top w0.25: 114.64,-91.94 114.64,-92.98 116.19,-94.53 116.72,-94.53 116.79,-94.6 v1(116.79,-95.18)
  Bottom w0.4: v1(116.79,-95.18) 116.79,-93.11

## Copper pours and planes (outline as drawn; the poured copper is in the pictures)
Gnd on In1.Cu: 122.06,-81.7 122.06,-97.3 104.06,-97.3 104.06,-81.7
Gnd on In1.Cu: 88.26,-94.03 88.26,-109.63 70.23,-109.63 70.23,-94.03
Gnd on In2.Cu: 122.09,-81.7 122.09,-97.3 104.09,-97.3 104.09,-81.7
Gnd on In2.Cu: 88.26,-94.03 88.26,-109.63 70.26,-109.63 70.26,-94.03
(no net) on Top: 16.89,11.67 16.89,0.5 0.73,0.5 0.73,11.67
(no net) on Bottom: 0.59,11.82 17.01,11.81 17.02,0.37 0.6,0.37
(no net) on In1.Cu: 97.66,-62.6 97.66,-78.2 79.66,-78.2 79.66,-62.6
(no net) on In1.Cu: 35.06,15.57 52.47,15.57 52.47,0.6 35.06,0.6
(no net) on In2.Cu: 97.69,-62.6 97.69,-78.2 79.69,-78.2 79.69,-62.6

## Text on the board
B.SilkS: T2 | T4 | T_rtn | Q_rtn | Q2 | G | Q4 | - | +Vc1 | +Vc2 | +Cp1 | +Cp2 | LP2 | LP1 | P1r | P2r | +Tint1 | +Vc3 | Cp1 | Cp2 | LP4 | IntQ+ | +IntT | T1 | T3 | Q1 | Q3
F.SilkS: Vc1+ | Vc1- | Vc2+ | Vc2- | Vc3+ | Cp1- | Vc3- | Cp1+ | Cp2+ | Cp2- | Cp3+ | IntT- | LP1 | LP2 | LP3 | LP4 | IntQ- | IntT+ | IntQ+ | IntT1- | IntT1+ | IntT2- | IntT2+ | IntT3- | IntT3+ | G | SCIPP | Noah / Peake | Type-1 DCS | Term Board | LV UMPS | HV TLH | DCS TLH
